# Altium PCB PCB.PcbDoc (part 1 of 2)
Units mm, origin at the board's own origin, x right, y up, seen from the top; angles counter-clockwise.
Board outline 56.6 x 58.94 mm, 4 copper layers (Top Layer, MiddleTop Layer, MiddleBottom Layer, Bottom Layer), stack 0.603 mm thick; 178 components, 110 nets, 595 pads, 660 vias.
Unrouted connection lines stored in the file: 2.
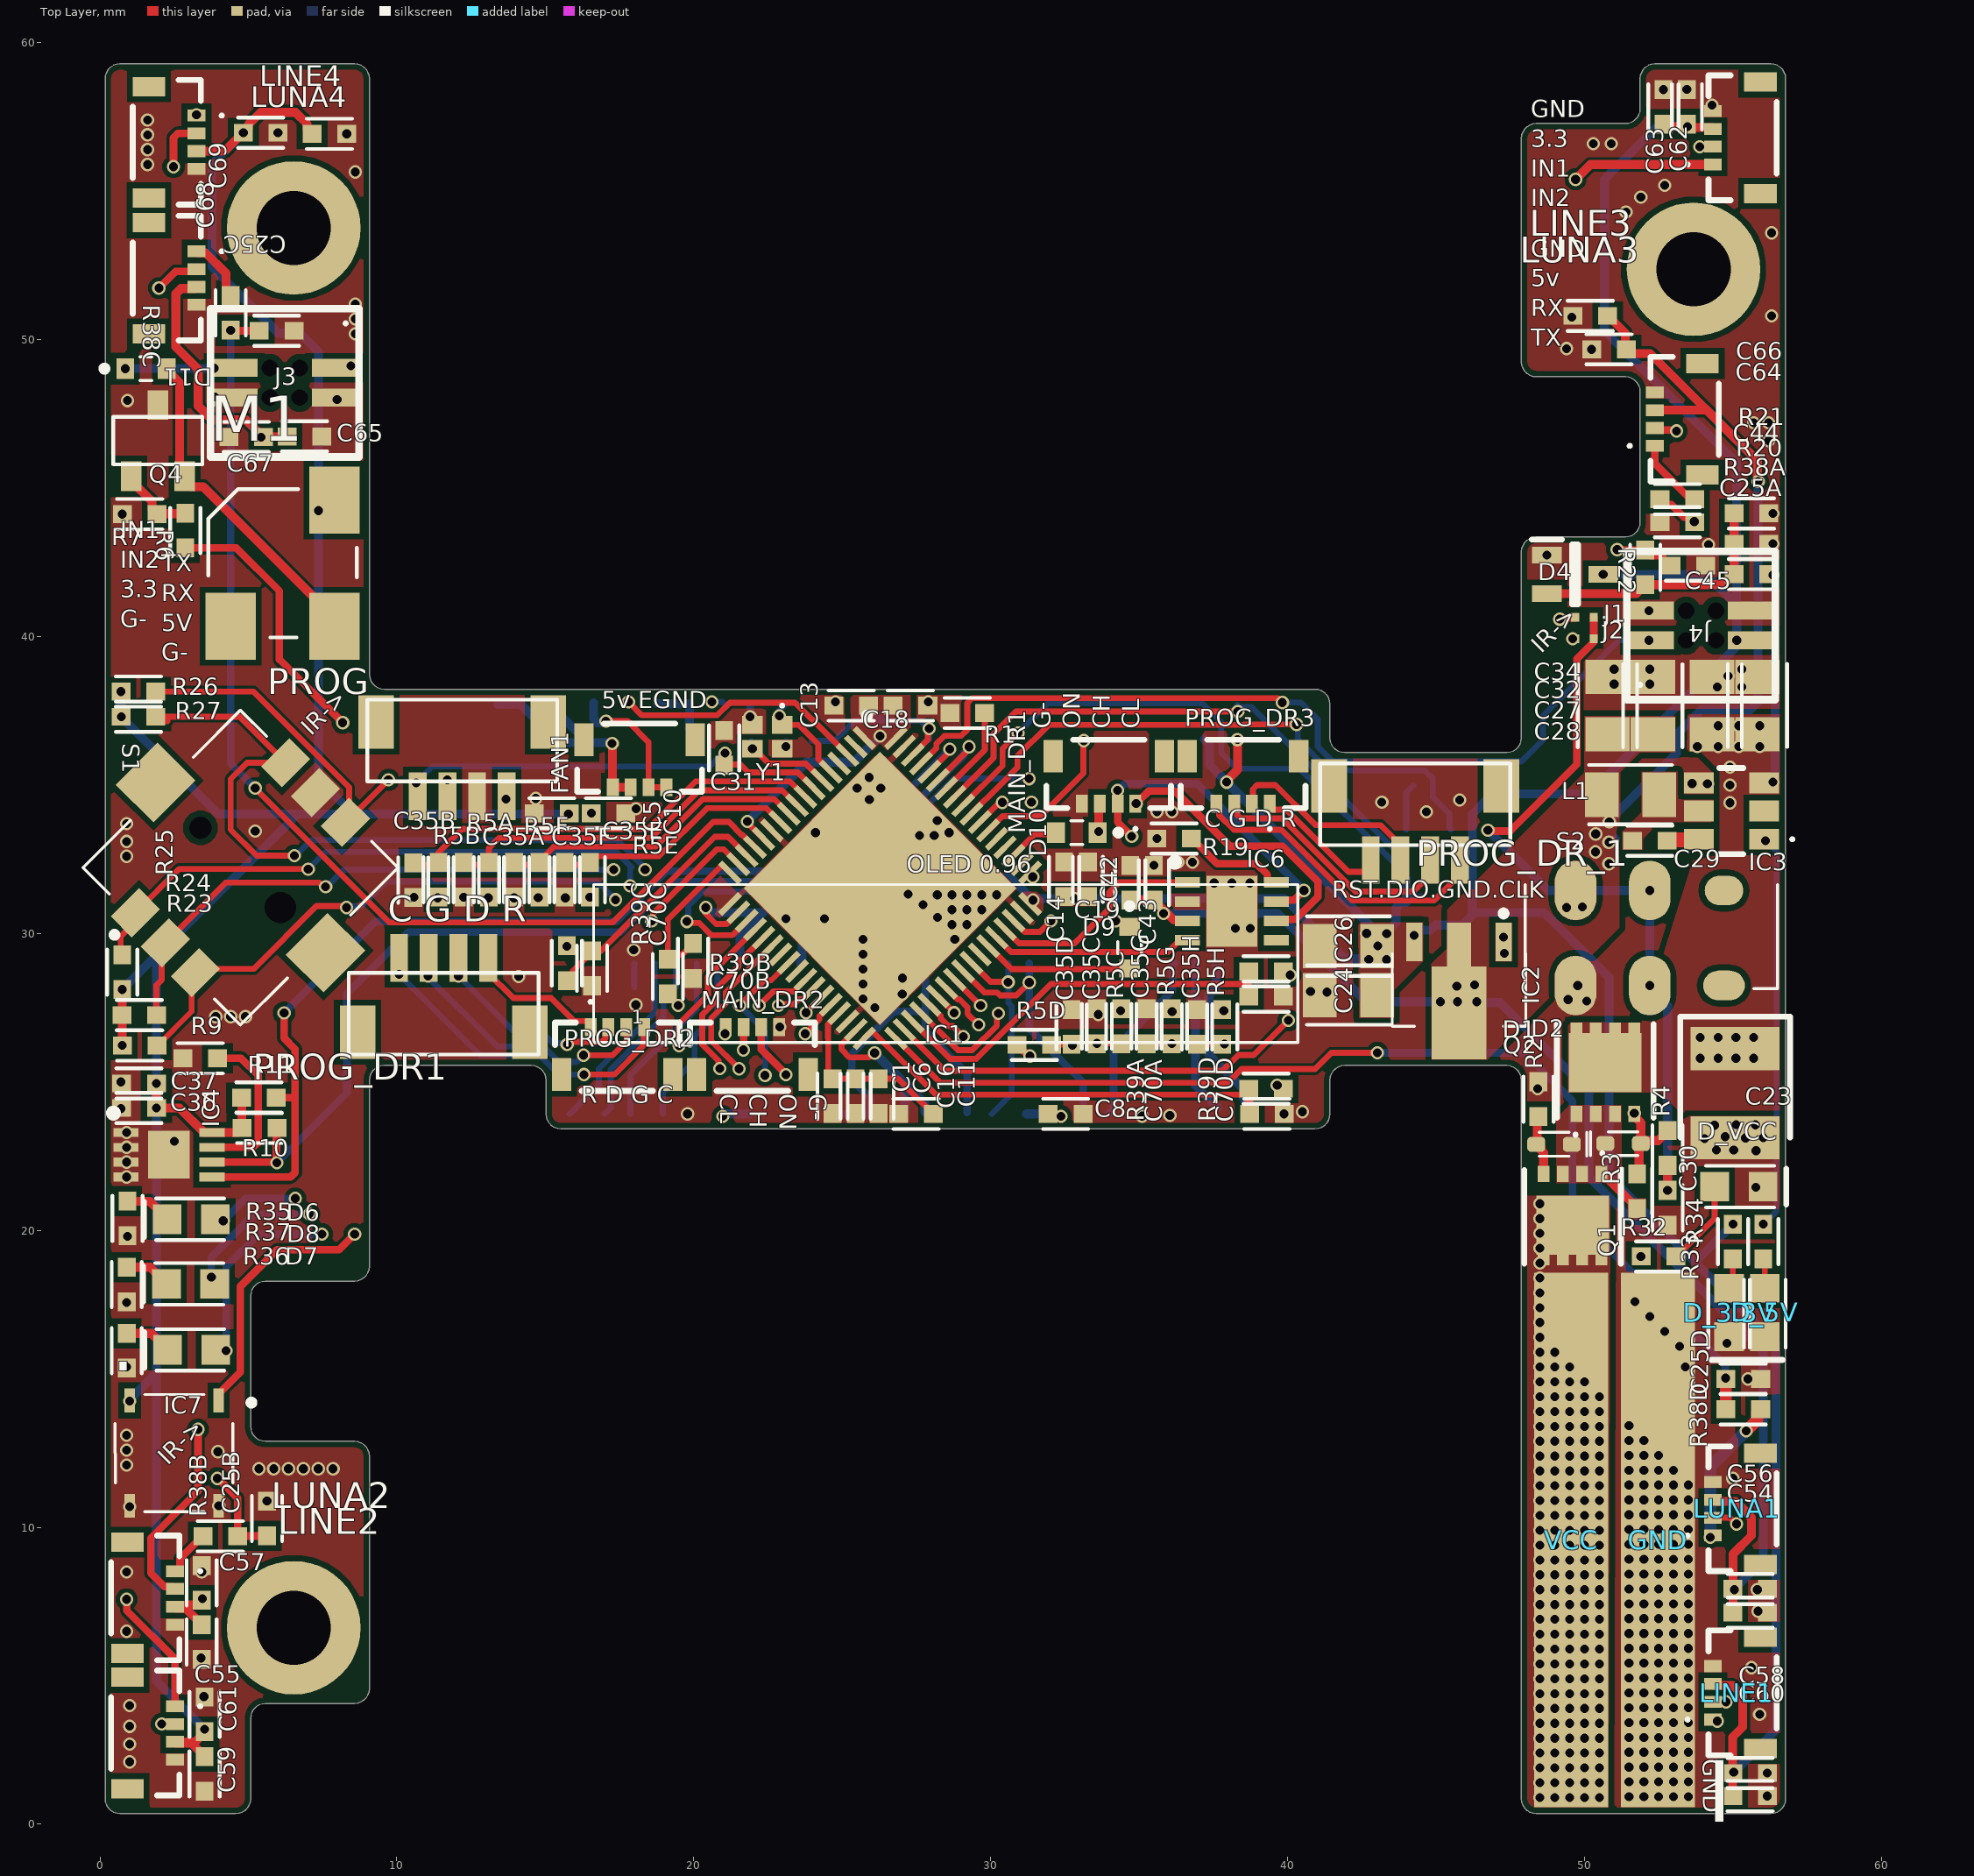
[diagram p0: Top Layer view]
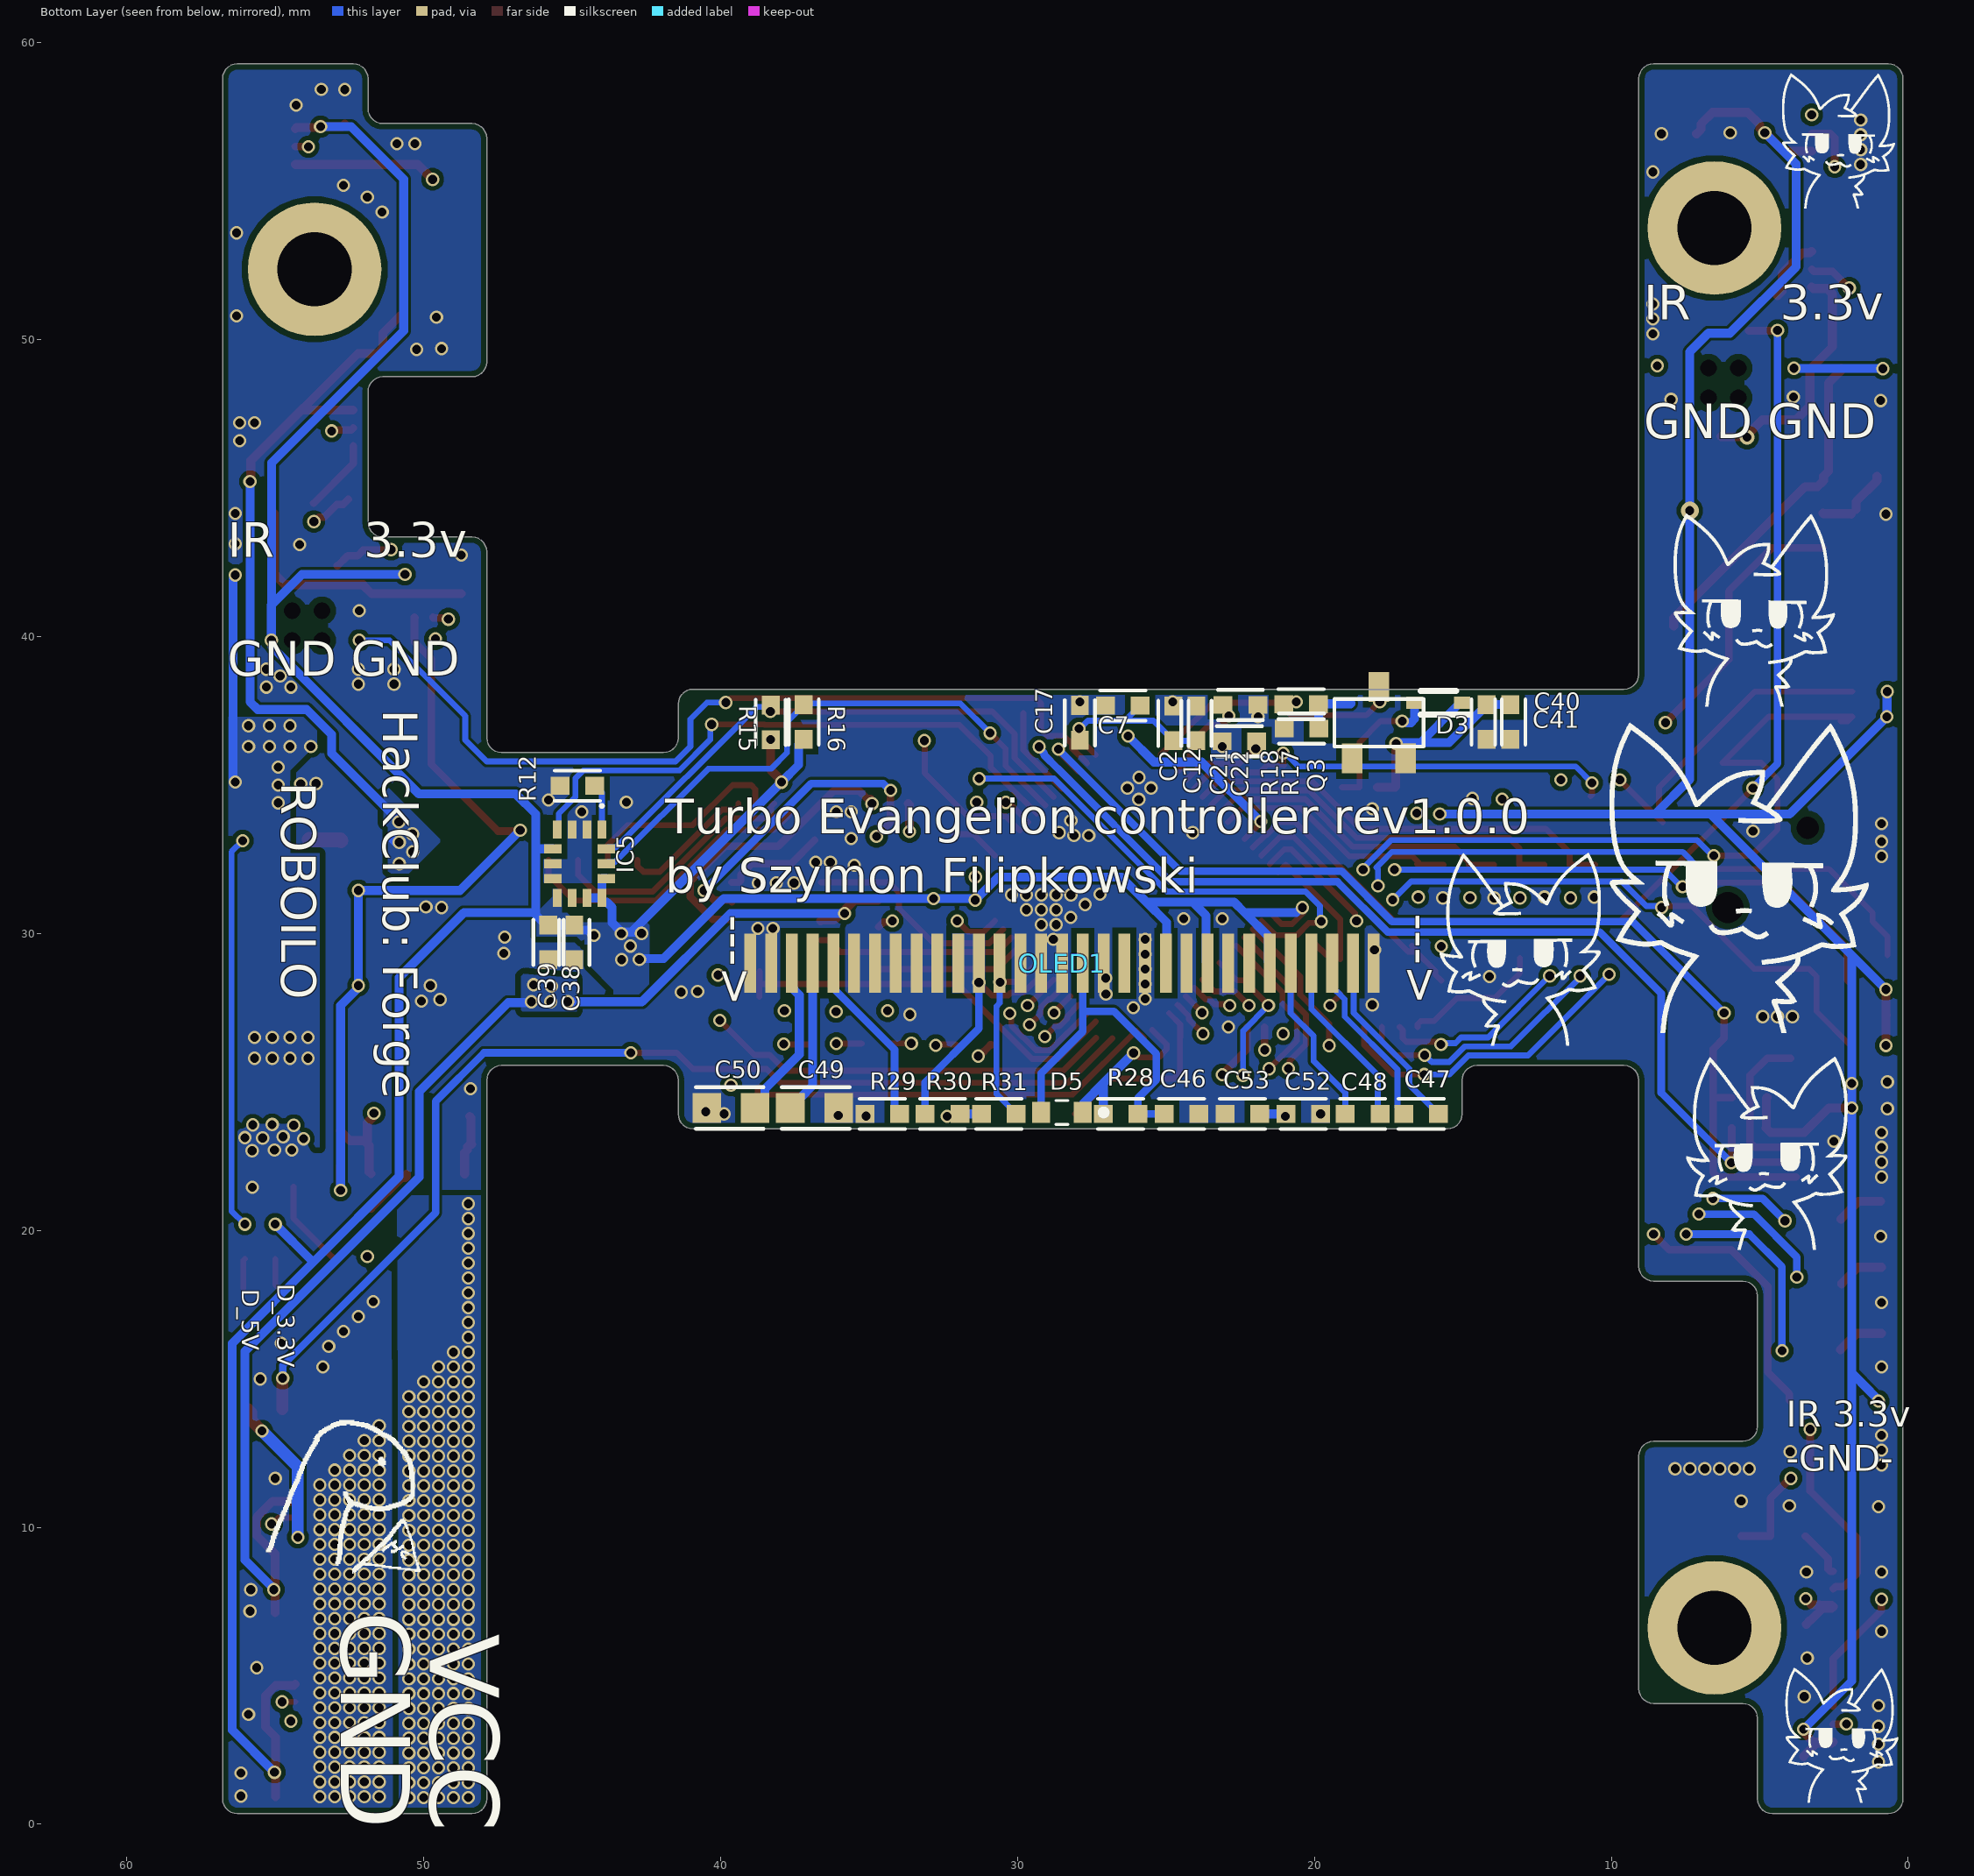
[diagram p1: Bottom Layer view, seen from below]
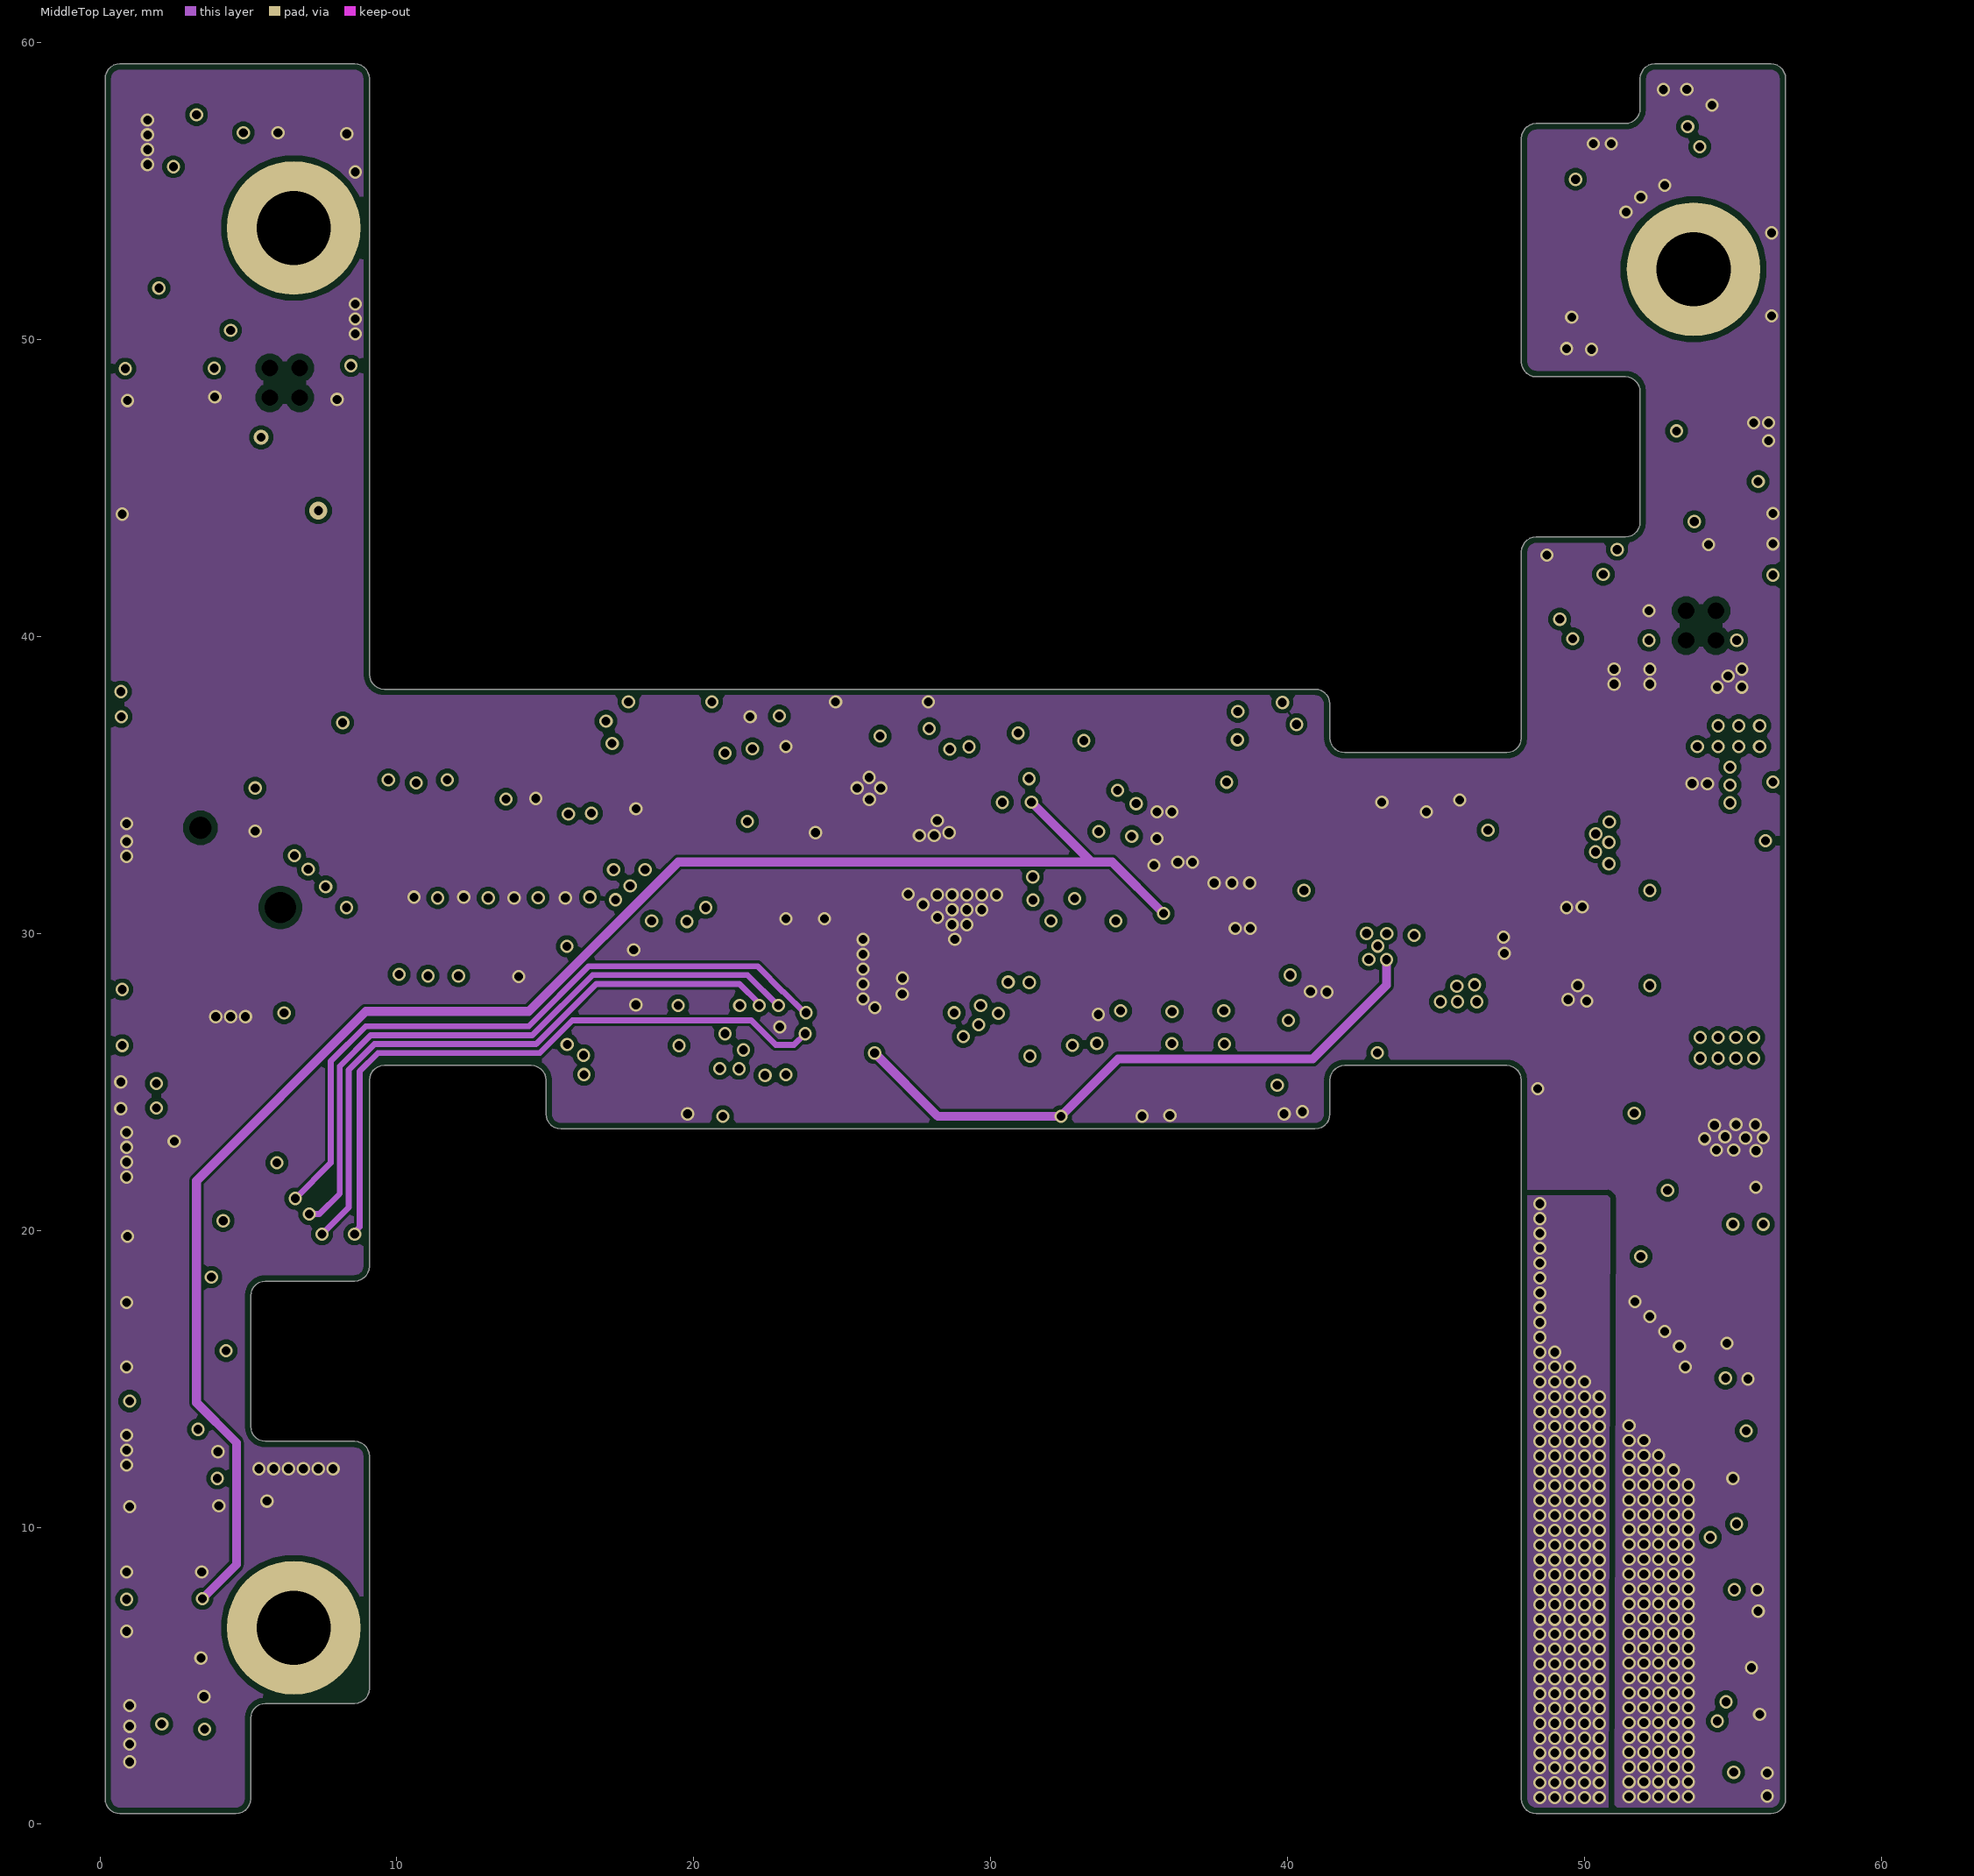
[diagram p2: MiddleTop Layer]